# Altium PCB 控制板.PcbDoc (part 3 of 12) (continued)
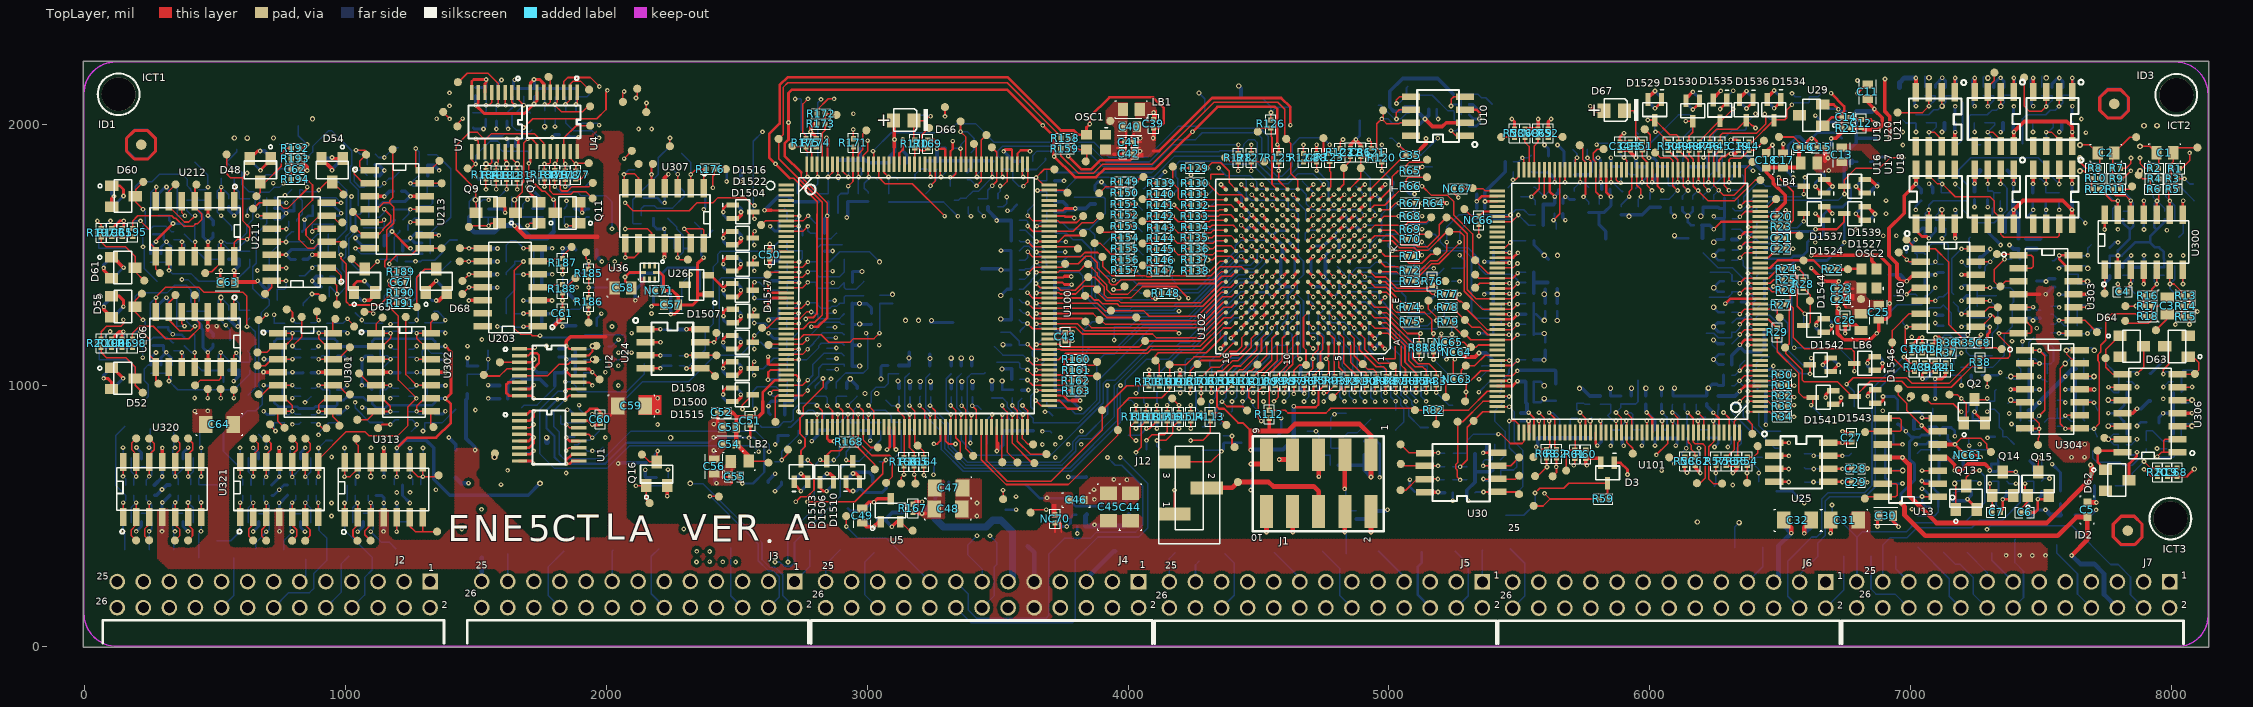
[diagram p0: TopLayer view]
## Nets (pads, with @x,y where several pads share a name; then routed paths per layer and width w, separated by ;. In a path a pad name is that pad's centre, name@x,y a point inside that pad or via, vN(x,y) a via of type N, cw(c..) or ccw(c..) an arc to the next point about the centre after c; other vN are vias at no path point) (continued)
  BottomLayer w12: Q34B.1@102.4,983 102.9,983 v1(147.4,1027.5) ; R776.2@103.2,1174.2 135.7,1206.7 v1(148.2,1206.7) 148.2,1179.1 C461.2@142.8,1173.7 ; R803.2@103.6,1599.6 103.6,1601.2 133.7,1631.3 v1(149.4,1631.3) 149.4,1606.2 C495.1@143.2,1600 ; Q37B.1@103.6,1685.5 107.4,1685.5 v1(148.6,1726.7) ; v1(197.4,440.9) 217.4,460.9 R709.1@217.4,478.4 ; v1(198.2,762.1) 216.9,743.4 R716.1@216.9,719.2 ; R773.1@262.4,1152.8 302.2,1152.8 302.2,1135.2 332.4,1105 C459.2@332.4,1079.2 ; C463.1@282.8,1264.2 282.8,1309.2 310.3,1336.7 310.3,1336.2 321.6,1324.9 C462.2@321.6,1264.6 ; C488.1@283.2,1690.5 283.2,1736.3 307.8,1760.9 311.1,1760.9 322.8,1749.2 C487.2@322.8,1690.5 ; R771.2@292.4,1078.7 292.4,1106.7 v1(312.8,1127.1) ; C440.2@296.9,509.6 v1@296.9,549.6 ; R706.1@376.5,478.4 376.5,460.1 v1(395.7,440.9) ; R713.1@376.5,718.8 376.5,741.7 v1(396.5,761.7) ; R767.2@472.4,1253.4 430.3,1253.4 430.3,1248.3 447.8,1230.8 447.8,1220 453.6,1214.2 453.6,1145.4 471.1,1127.9 492.4,1149.2 C456.1@492.4,1158.4 ; R792.2@472.4,1679.3 433.1,1679.3 C486.1@432.4,1680 432.4,1672.9 448.6,1656.7 448.6,1648 454.4,1642.2 454.4,1569.3 v1(472.8,1550.9) 492.4,1570.5 C484.2@492.4,1584.7 ; v1(645.7,440.5) 666.9,461.7 R690.2@666.9,478 ; v1(646.1,760.9) 666.5,740.5 R698.2@666.5,718.7 ; v1(686.1,901.3) 698.7,888.7 C450.2@726.9,888.7 ; v1(686.9,1101.7) 686.9,1101.3 689.4,1098.8 C454.2@727.4,1098.8 ; C431.1@716.9,618.8 747.4,649.3 C434.2@747.4,687.6 ; C429.1@717.4,578.4 723.6,578.4 764,618.8 C430.2@776.6,618.8 ; C483.1@728.6,1639.6 751.5,1639.6 781.9,1670 C481.2@802.4,1670 802.8,1670.4 R752.2@802.8,1710 ; R761.1@728.6,1679.6 753.3,1679.6 v1(772.4,1660.5) ; C433.1@747.4,508.8 747.4,549.2 C428.2@777.4,579.2 ; C453.1@757.4,1048.4 835.8,1048.4 C451.2@836.6,1049.2 ; C477.2@807.8,1483.8 789,1483.8 v1(771.9,1500.9) 791.9,1520.9 873.6,1520.9 892.3,1539.6 C476.2@902,1539.6 902.8,1538.8 R742.1@902.8,1499.6 ; R687.2@827.4,477.6 827.4,457 v1(844.4,440) ; R695.2@827.4,719.2 827.4,742.6 v1(845.7,760.9) ; v1(1046.5,439.6) 1067.8,460.9 R641.2@1067.8,478.4 ; v1(1072.8,1400.5) 1113.6,1359.7 Q31B.1@1113.6,1354.6 ; C421.2@1102,984.2 1085.3,1000.9 v1(1062.4,1000.9) 1062.4,1098.8 1077.4,1113.8 C422.2@1102.8,1113.8 ; C473.2@1107.8,1535.8 1063.6,1535.8 1037.4,1562 1037.4,1565.5 1046.5,1574.6 C474.1@1108.2,1574.6 ; C411.1@1117.8,578.8 1137.8,578.8 1147.8,568.8 C409.2@1147.8,509.6 ; R679.2@1119.8,1725.5 1119.8,1686.3 1127.8,1686.3 1142.4,1700.9 1173.3,1700.9 1178.3,1705.9 1229,1705.9 v1(1248.6,1725.5) 1229.1,1745 C470.2@1214,1745 ; v1(1146.5,650) 1147.8,651.3 C414.2@1147.8,687.6 ; v1(1196.5,549.6) 1197.4,548.7 R639.1@1197.4,509.6 ; R666.1@1197.8,1355 1167.4,1385.4 v1(1167.4,1400.9) 1192.3,1400.9 C466.2@1198.2,1395 ; C410.1@1218.2,618.8 1218.2,578.3 v1(1246.5,550) ; R669.2@1219,1515.5 1219,1554.2 1238.6,1554.2 1270.3,1585.9 C465.2@1293.2,1585.9 ; v1(1246.9,760) 1247.8,759.1 C413.1@1247.8,719.6 ; v1(1248.2,1565.5) 1267.8,1545.9 R664.1@1292.8,1545.9 ; C415.1@1343.2,890.5 1371.6,890.5 v1(1382.4,901.3) ; C417.1@1344,999.2 1381.9,999.2 v1(1383.2,1000.5) ; v1(1347.4,1401.7) 1389,1360.1 Q30B.1@1389,1355 ; v1(1467.4,1105.9) 1467.4,1075.7 1466.7,1075 R636.2@1506.9,1075 ; v1(1498.6,1802.5) 1508.9,1792.2 C393.2@1658.2,1792.2 ; C408.2@1498.6,2142.5 1538.6,2142.5 C407.2@1539,2142.9 v1(1539,2173.4) ; R625.2@1547.4,1676.7 1598.2,1676.7 v1(1611.9,1663) ; C406.2@1583.6,2140.4 1583.6,2156.7 v1(1598.2,2171.3) ; v1(1617.8,1945.9) 1622.4,1941.3 C398.1@1622.4,1917.1 ; v1(1648.2,2172.5) 1644.4,2168.7 1644.4,2138.8 1724.4,2138.8 1724.5,2138.7 C399.2@1884,2138.7 ; C378.2@1691.9,708.4 1712.4,708.4 v1(1720.3,700.5) ; v1(1697.8,1762.1) 1704.4,1762.1 1757.3,1709.2 1757.3,1678.4 C387.1@1717.8,1678.4 ; v1(1722.8,1802.1) 1733.6,1791.3 C389.2@1883.2,1791.3 ; v1(1722.8,2173.4) 1724,2172.2 C403.2@1724,2139.2 ; R619.2@1877.8,1677.5 1892.4,1677.5 v1(1906.9,1663) 1921.4,1677.5 C382.2@1933.6,1677.5 ; v1(2149,677.1) 2149,649.2 2150.7,647.5 C359.2@2192.8,647.5 ; 2180.7,1315.4 C363.1@2180.7,1379.6 ; v1(2447.8,965.3) 2447.8,952.7 2461.7,938.8 Q19B.1@2482.4,938.8 ; v1(2448.2,1065.9) 2448.2,1052.3 2462.1,1038.4 Q20B.1@2482.8,1038.4 ; v1(2448.2,1165.5) 2448.2,1152.5 2461.1,1139.6 Q21B.1@2482.4,1139.6 ; v1(2448.6,1465.5) 2448.6,1455.1 2464.1,1439.6 Q24B.1@2483.6,1439.6 ; v1(2448.6,1565.9) 2448.6,1553 2462,1539.6 Q25B.1@2483.6,1539.6 ; v1(2449,1265.9) 2449,1250.9 2460.3,1239.6 Q22B.1@2482.8,1239.6 ; v1(2449,1365.9) 2449,1352.2 2462,1339.2 Q23B.1@2483.2,1339.2 ; v1(2619.9,1022.1) 2659.8,1022.1 C352.1@2661.5,1023.8 C353.1@2661.5,1064.6 ; v1(2621.5,1251.3) 2626.5,1256.3 2661.5,1256.3 C356.1@2661.5,1294.2 ; v1(2621.9,1200.9) 2642.3,1180.5 C354.1@2660.3,1180.5 ; v1(2622.8,1391.3) 2633.2,1401.7 C357.1@2661.9,1401.7 ; v1(2627.8,1610.5) 2646.2,1592.1 R577.2@2661.6,1592.1 2661.2,1592.5 R578.2@2661.2,1630 ; C350.2@2629,888.4 2621.9,895.5 2621.9,928.8 2632.7,939.6 C351.1@2651.1,939.6 ; v1(2646.5,595) 2671.9,620.4 Q18B.1@2671.9,629.2 ; v1(2646.9,774.2) 2658.2,785.5 2658.2,808.4 C337.1@2697.4,808.4 ; v1(2745.7,595) 2771.9,621.2 Q17B.1@2771.9,629.2 ; v1(2787.4,786.7) 2811.9,811.2 2811.9,826.3 C336.1@2814,828.4 C335.1@2853.6,828.4 ; R565.2@2836.1,1583.4 2836.1,1639.7 2849.4,1653 R582.2@2849.4,1705.1 ; C340.2@2841.5,989.2 2841.5,1004.6 2860.9,1024 v1(2860.9,1025.5) ; v1(2844.4,595) 2871.5,622.1 Q16B.1@2871.5,629.2 ; C339.2@2921.5,989.6 2921.5,1012.3 v2(2934.9,1025.7) 2934.9,1024.6 2961.9,997.6 C338.2@2961.9,989.6 ; v1(2921.5,1644.6) 2925.3,1648.4 2925.3,1705.5 R579.2@3003.6,1705.5 ; C343.1@2942.8,1154.6 2970.3,1154.6 v1(2970.7,1155) ; C345.1@2942.8,1234.2 3015.8,1234.2 C329.2@3016.6,1235 ; C348.1@2943.2,1394.6 C349.1@2943.2,1435 2944.9,1436.7 v2(2979.9,1436.7) ; v1(2945.3,595.5) 2960.1,595.5 2971.9,607.3 Q15B.1@2971.9,629.2 2971.9,608.2 2990.7,589.4 3056.7,589.4 3072.8,605.5 Q14B.1@3072.8,629.6 ; v2(2971.1,1075.3) 2969.6,1073.8 C341.1@2942.8,1073.8 C347.1@2942.8,1315.5 2944.5,1313.8 2999,1313.8 3017,1295.8 C330.2@3017,1275.5 ; C334.1@2972.4,828 3011.5,828 3011.7,827.8 v1(3011.7,788.6) ; v2(3053,1024.6) 3053,1071.5 3058.6,1077.1 R540.2@3079.9,1077.1 ; v1(3075.7,754.2) 3091.5,770 C332.1@3091.5,826.7 ; v1(3136.5,1943.8) 3136.5,1899.7 3151.5,1884.7 C326.1@3151.5,1853.8 ; v2@3242.4,1242.1 TP191.1@3329.4,1242.1 ; TP1521.1@3439,1447.8 3508,1447.8 v2(3512.8,1443) R506.2@3552,1443 ; v2(3511.9,1345) 3536.2,1369.3 3551.9,1369.3 3551.9,1517 3552,1517.1 v1(3512.8,1517.1) ; v2(3520.7,1156.7) 3521.9,1155.5 R500.2@3551.6,1155.5 ; R477.1@3719,1178.4 3780,1178.4 v1(3787.1,1171.3) ; R471.1@3720.3,940.9 3785.9,940.9 v1(3816.1,910.7) ; Q13B.1@3873.2,1747.5 3873.2,1768.8 3885.7,1781.3 3897.4,1781.3 3919.9,1758.8 3960.3,1758.8 3972.8,1746.3 C314.1@3972.8,1441.3 ; v1(4030.7,835) 4059.3,863.6 4196.3,863.6 4195.1,862.4 v1(4195.1,834.6) ; C305.1@4111.1,1440 4111.1,1788.4 v1(4141.9,1819.2) ; C304.1@4242.4,1834.2 4242.4,1805.4 4243,1804.8 4243,1522.2 4244.1,1521.1 C286.2@4244.1,1439.6 ; NC56.1@4668.6,1075.5 4662.4,1069.3 4662.4,982.9 v1(4676.1,969.2) ; C246.1@5336.5,1734.8 5336.9,1734.4 C245.1@5336.9,1679.6 ; v1(5361.5,742.1) 5374.1,754.7 NC26.2@5374.1,774.6 ; v1(5366.1,1474.8) 5400.5,1474.8 5400.7,1475 R430.1@5400.7,1515 ; R407.2@5556.5,1555 5556.5,1539.6 5611.7,1484.4 ; v1(5596.9,1922.5) 5611.9,1907.5 C233.2@5611.9,1881.2 ; v1(5646.9,1922.3) 5671.5,1897.7 R404.1@5671.5,1839.2 ; R405.2@5666.9,1659.6 5666.9,1643.8 v1(5676.5,1634.2) ; C232.1@5667.4,1698.8 5667.4,1714.5 v1(5676.7,1723.8) 5682.1,1723.8 5692.5,1713.4 R401.2@5711.5,1713.4 ; R403.2@5711.9,1808.4 5765.7,1808.4 5776.9,1819.6 5776.9,1853.3 5796.8,1873.2 v1(5802.1,1873.2) 5811.1,1864.2 C230.2@5811.1,1839.6 ; R395.2@5766.1,1663.8 5825.9,1663.8 5851.9,1689.8 v1(5851.9,1723.8) 5847.4,1728.3 C231.1@5847.4,1752.5 ; v1(5799.6,769.4) 5814.9,784.7 C193.2@5814.9,799.7 ; R394.2@5806.1,1663.8 5806.1,1616.3 5831.5,1590.9 TP1106.1@5831.5,1562.1 ; v2(5849.9,989.6) 5849.9,961.2 5850.7,960.4 R381.2@5889.9,960.4 ; v1(5851.3,1873.2) 5851.3,1840.2 5852.1,1839.4 R399.1@5891.3,1839.4 ; v1(5900.3,769.2) 5894.8,774.7 5894.8,798.8 NC31.2@5934.4,798.8 ; C196.1@5984.9,960.5 5984.9,989.2 v2(5985.3,989.6) ; Q11B.1@5993.6,2098.4 5993.6,2089.7 v1(6020.1,2063.2) ; v1(5997.4,1873) 6014.4,1873 6026.1,1861.3 C229.2@6026.1,1839.6 C228.2@6070.7,1839.6 ; v1(6020.5,769.4) 6020.5,797.7 6102.9,797.7 6104.9,795.7 6104.9,774.4 v1(6099.9,769.4) ; C195.1@6044.9,960 6044.9,989.6 v2(6045.3,990) ; v2(6095.3,990) 6089,983.7 R380.2@6089,960 6217.7,960 6219,961.3 6219,984.1 6239.7,1004.8 6257.6,1004.8 6262.4,1000 R387.2@6283.2,1000 R388.2@6283.2,1040 ; Q10B.1@6139.4,2094.6 6139.4,2084.5 v1(6165.7,2058.2) ; C227.2@6150.3,1838.7 6220.6,1838.7 6224,1842.1 6224,1865.6 6215.8,1873.8 v1(6206.5,1873.8) ; v2(6195.7,1649.2) 6204.9,1658.4 C220.1@6204.9,1683.4 6262.5,1683.4 6266.7,1679.2 C215.1@6287.1,1679.2 ; v2(6245.7,1549.6) 6256.1,1560 C212.1@6284.4,1560 6284.4,1639.5 6287.1,1642.2 6287.1,1718.2 C216.1@6286.5,1718.8 ; v1(6245.7,1648.8) 6254.5,1640 C214.1@6284.9,1640 ; C204.1@6283.6,1204.6 6265.3,1204.6 v2(6244.9,1225) 6260.4,1240.5 C205.1@6284,1240.5 ; v1@6311.1,1942.8 6331.7,1942.8 C224.2@6340.3,1934.2 ; C223.2@6316.1,1839.2 6380.3,1839.2 v1(6396.1,1823.4) ; Q9B.1@6344.4,2097.5 6344.4,2089 v1(6371.3,2062.1) ; C207.2@6350.2,1319.6 6370.1,1319.6 v1(6376.9,1312.8) ; C190.2@6435.7,1886.2 6435.7,1887.5 v1(6470.7,1922.5) ; C198.2@6440.4,1330 6440.4,1409.6 C200.2@6440.6,1409.8 ; C199.2@6440.4,1369.6 6464.5,1369.6 v1(6474.9,1380) ; C201.2@6440.6,1524.6 v1(6549.9,1524.6) ; Q8B.1@6450.3,2100 6450.3,2089.8 v1(6477.1,2063) ; Q3B.1@6694.6,1104.8 6698.2,1104.8 v1(6723.8,1079.2) ; v1(6790.7,1658.6) 6817.1,1685 Q5B.1@6825.3,1685 ; v1(6791.1,1763.4) 6817.7,1790 Q6B.1@6824.9,1790 ; Q2B.1@6864.4,1110 6881.6,1110 6892.6,1099 v1(6892.6,1085) ; v1(6873.6,459.2) 6873.6,502.9 C497.1@6874.9,504.2 ; C185.2@7015.3,2111.8 7015.3,2077.1 v1(7021.1,2071.3) ; R330.1@7016.1,1588.4 7030.3,1588.4 7044.9,1603 C156.1@7056.1,1603 7056.1,1578.8 v1(7070.3,1564.6) 7096.1,1590.4 C155.1@7096.1,1603.4 ; v1(7045.7,1025.5) 7061.1,1025.5 7134,1098.4 C146.1@7134,1115 ; C151.1@7056.1,1384.6 7056.1,1422.1 7058.6,1424.6 v1(7095.3,1424.6) 7104.1,1433.4 C150.1@7126.1,1433.4 ; v1(7094.9,1275) 7100.3,1269.6 C148.1@7124.4,1269.6 ; C184.1@7095.7,2142.5 7095.7,2153.8 v1(7121.9,2180) 7134.9,2167 C183.1@7134.9,2143 ; NC47.1@7107.4,632.5 7109,634.1 NC45.1@7109,714.2 7159.5,714.2 v1(7169.9,724.6) ; C140.2@7163.6,558.4 7212.8,558.4 v1(7218.6,564.2) 7233.6,579.2 R298.1@7233.6,594.2 ; C181.1@7170.3,2038.4 7170.3,2069.3 v1(7171.5,2070.5) ; v1(7171.1,2178.8) 7174.9,2175 C182.1@7174.9,2142.5 ; v1(7171.5,1673.8) 7174.9,1670.4 C154.2@7174.9,1634.6 ; v1(7195.3,1325) 7214.9,1344.6 C147.1@7223.6,1344.6 ; v1(7195.3,1425) 7196.5,1423.8 C149.1@7225.3,1423.8 ; NC53.1@7233.6,714.6 7258.6,714.6 v1(7269,725) ; C180.2@7239.9,2111.3 7239.9,2077.1 v1(7246.1,2070.9) ; C165.2@7245.3,1713 7245.3,1684.6 v1(7245.7,1684.2) ; C164.2@7294.9,1713.8 7294.9,1685 v1(7296.1,1683.8) ; C162.1@7297.4,1589.2 7297.4,1587.5 v1(7345.7,1539.2) ; C179.1@7319.4,2143 7319.4,2158 7341,2179.6 7345.3,2179.6 7359,2165.9 C178.1@7359,2142.5 ; v1(7353.6,563.8) 7368.6,578.8 R294.1@7368.6,594.2 ; C176.1@7394.4,2038.4 7394.4,2068.8 v1(7396.1,2070.5) ; v1(7396.1,2178.8) 7399.4,2175.5 C177.1@7399.4,2143.4 ; C161.2@7414.1,1523.8 7414.1,1508.7 7419.4,1503.4 R321.2@7419.4,1484.6 ; R288.2@7440.7,1258.4 7459.4,1258.4 7468.6,1249.2 7477.4,1258 C134.1@7498.6,1258 ; C175.2@7463.6,2112.2 7463.6,2078 v1(7470.7,2070.9) ; C135.2@7484,1401.3 7517.8,1401.3 v1(7519.9,1399.2) 7530.3,1409.6 C133.2@7553.6,1409.6 ; v1(7488.2,564.2) 7503.1,579.1 R266.2@7503.1,593.4 ; v1(7543.2,698.8) 7575.4,666.6 U12.8@7575.4,596.5 ; C174.1@7543.2,2143.4 7543.2,2157.6 7564.8,2179.2 v1(7570.7,2179.2) 7583.6,2166.3 C173.1@7583.6,2143.4 ; v1(7593.6,984.6) 7631.6,984.6 C127.2@7632.4,983.8 ; C171.1@7619,2038.4 7619,2069.2 v1(7620.7,2070.9) ; v1(7620.3,2178.8) 7622.8,2176.3 C172.1@7622.8,2143.4 ; C123.2@7630.3,503.4 7691.9,503.4 v1(7711.9,523.4) ; R270.2@7632,903.4 7632,1023.4 C128.2@7632.4,1023.8 ; Q1B.2@7705.3,616.3 7705.3,558.4 v1(7712.4,551.3) ; R280.2@7854,1453.7 7894,1453.7 7895.3,1455 v1(7895.3,1499.2) ; C103.2@7918.2,1046.1 7921,1046.1 v1(7969.9,1095) ; C102.2@7953.2,855.9 7953.2,878.8 7968.2,893.8 C101.1@8007.4,893.8 ; R250.1@8006.9,813.8 8007.8,814.7 R252.1@8007.8,973.8
  BottomLayer w14: Q35B.1@102.8,1258.4 104.1,1258.4 v1(148.2,1302.5) ; C443.1@267.4,618.4 296.9,647.9 C444.2@296.9,686.8 ; C442.1@267.8,578.8 274,578.8 314,618.8 C439.1@326.5,618.8 ; v1@296.9,549.6 C438.1@326.5,579.2 ; Q32B.1@908.6,1870.5 944.5,1870.5 v1(948.2,1874.2) ; R616.2@1543.1,1425.9 1581.5,1425.9 v1(1581.9,1426.3) ; R618.2@1543.1,1525.5 v1(1582.4,1525.5) ; v1(1719.9,1064.2) 1734.5,1049.6 C376.2@1772,1049.6 ; R610.2@1752.7,1375 1752.7,1425.5 1753.5,1426.3 v1(1792.4,1426.3) ; R611.2@1753.1,1475.9 1753.1,1525 C385.2@1754,1525.9 v1(1791.9,1525.9) ; v1(1791.1,1226.3) 1824.9,1260.1 R606.2@1831.9,1260.1 ; v1(1792.4,1950.9) 1803.2,1961.7 C397.1@1819.4,1961.7 ; R607.2@1832.4,1355.1 1852.7,1355.1 v1(1881.5,1326.3) ; C381.2@1832.4,1486.2 1832.4,1525.4 1877.9,1525.4 Q29B.1@1882.8,1520.5 ; v1@1847.4,1099.6 C374.2@1881.6,1099.6 ; C373.2@1881.2,1049.2 C375.2@1881.2,1139.6 ; v1(2411.9,751.3) 2411.9,720.5 C358.2@2416.5,715.9 ; C331.2@2995.7,487.6 2995.7,474 3011.3,458.4 3027.2,458.4 3040.7,471.9 R543.2@3040.7,488.8 ; R481.1@3718.2,1332.1 3719,1332.9 R483.1@3719,1410.5 ; R482.1@3719,1371.3 3768.6,1371.3 v1(3784,1386.7) ; C496.1@4930.7,518.8 4990.3,518.8 v1(4995.1,523.6)
  BottomLayer w16: C163.1@7372.4,1824.2 7395.7,1800.9 v1(7395.7,1773.8) ; v1(7379.9,1539.2) 7395.3,1523.8 C161.2@7414.1,1523.8
  BottomLayer w18: C380.1@1421.9,646.7 1442.7,625.9 v1(1471.5,625.9) ; J3.25@1521.9,248.8 TP204.1@1521.9,340 ; v1(6592.8,433.2) 6620.9,461.3 C498.2@6620.9,485
  other v1: 3025.5,458.8 3765.1,459.6 3420.3,500 7005.9,526.1 745.3,550.5 1146.5,549.6 3420.7,549.6 297.4,551.3 3870.7,563.8 3570.7,574 745.7,600.5 296.5,601.3 3869.4,600.9 6318.4,618.8 3995.3,638.8 3945.7,640 745.3,650.5 296.9,651.3 1945.7,850.5 2411.5,852.1 7968.6,893.8 421.9,901.7 2196.1,901.7 471.5,903 2621.9,921.1 4519.4,938.8 2196.5,951.3 4399,972.3 4518.8,972.1 796.5,1051.3 1272.8,1050.9 1846.5,1100.5 1062.4,1101.3 6870.5,1200.3 7469.4,1249.2 2172.6,1276.3 6920.1,1314.8 313.2,1336.7 7945.3,1498.4 8045.3,1498.4 7995.7,1498.8 1831.9,1525.9 1037.8,1565.9 6895.7,1574.2 6945.7,1574.2 2222.4,1600.9 6905.9,1658.8 983.2,1660.5 7470.7,1673.4 7520.3,1673.8 2223.2,1700.5 6906.1,1708.8 6048.6,1747.5 313.6,1760.9 3898,1780.7 4241.1,1806.7 2648.2,1850 6871.1,1874.4 3716.9,1878.4 4046.1,1898.4 6970.9,1922.3 4046.9,1948 4096.5,1948.8 6970.7,1971.9 4246.9,1973 2173.6,1983.4 2123.6,1983.8 3673.2,1997.5 2698.6,2008.4 6796.5,2169.8 7345.7,2179.6
  other v2: 6224.9,990 5595.9,1199.6 2971.1,1235.5 3146.5,1250 3196.5,1250 3246.9,1249.6 2970.7,1315 6245.7,1375 5595.7,1499.2 5646.3,1499.2 6245.3,1498.8
J1-3_0: J1.3 NC16.2 NC17.2 pad.387 U100.162 U101.162 | length 4375.2
  TopLayer w6: U100.162@3043.99,1848.5 3043.99,1798.61 3068.6,1774 3173,1774 3296.9,1650.1 v1(3296.9,1649.6) ; v1(6025.7,734.4) 6069.01,777.71 U101.162@6069.01,819.9
  TopLayer w18: v1(4830.7,603.8) J1.3@4830.7,734.2
  MidLayer2 w6: v1(3671.3,774.2) 3671.3,718.2 3805.3,584.2 3897.3,584.2 3925.6,555.9 4737.8,555.9 4785.7,603.8 4865.7,603.8 4892.4,577.1 5053.2,577.1 5087.3,543 5679.5,543 5874.9,738.4 6021.7,738.4 v1(6025.7,734.4)
  MidLayer3 w6: v1(3296.9,1649.6) 3296.9,1313.8 3539,1071.7 3539,882.1 3646.9,774.2 v1(3671.3,774.2)
  BottomLayer w6: v1(4830.7,603.8) 4835.3,599.2 NC16.2@4835.3,519.6 NC17.2@4875.7,519.6
J1-4_0: J1.4 NC16.1 pad.386 | length 214.8
  TopLayer w18: v1(4831.5,438.4) J1.4@4831.48,517.2
  BottomLayer w6: NC16.1@4835.3,488.4 4835.3,442.2 4831.9,438.8 4836.9,433.8 pad.386@4836.9,355.9
J1-5_0: J1.5 NC14.2 NC15.1 NC51.1 pad.266@4730.5,684.4 | length 248.8
  TopLayer w18: J1.5@4731.05,734.2 4731.5,734.2 v1(4731.5,650.7)
  BottomLayer w6: v1(4731.5,650.7) NC14.2@4731.5,733.4 4774.5,733.4 4775.3,732.6 NC15.1@4775.3,694.6
J1-7_0: J1.7 NC9.2 NC10.2 pad.243@5292.4,939.6 U100.124 U101.124 | length 2940.4
  TopLayer w6: v1(3650.3,1610.9) 3650.72,1611.32 U100.124@3697.8,1611.32 ; pad.243@5292.4,939.6 5296.1,943.3 5296.1,1000.9 5352.28,1057.08 U101.124@5415.2,1057.08
  TopLayer w18: v1(4579.9,716.7) 4630.62,716.7 J1.7@4630.62,734.2
  MidLayer2 w6: v1(3820.7,774.6) 3846.2,774.6 3913.3,707.5 4354.4,707.5 4380.1,733.2 4563.4,733.2 v1(4579.9,716.7) 4617.4,754.2 4898.6,754.2 4996.9,852.5 5173,852.5 v1(5295.5,975)
  MidLayer3 w6: v1(3650.3,1610.9) 3669.6,1591.6 3669.6,1323.2 3747.4,1245.4 3747.4,1159.2 3781.9,1124.7 3781.9,813.4 v1(3820.7,774.6)
  BottomLayer w6: v1(3650.3,1610.9) 3666.1,1626.7 3688.4,1626.7 3688.7,1626.4 NC9.2@3688.7,1666.7
J1-9_0: J1.9 NC11.1 NC13.1 pad.268@4526.9,699.6 U100.137 U101.137 | length 3472.3
  TopLayer w6: v1(3509.6,1765.3) 3519.1,1765.3 3536.11,1782.32 U100.137@3536.11,1848.5 ; v1(5575.1,864.8) 5576.88,863.01 U101.137@5576.88,819.9
  TopLayer w18: v1(4471.7,699) 4530.2,699 J1.9@4530.2,734.2
  MidLayer2 w6: v1(3771.3,774.6) 3805,740.9 3835.3,740.9 3896.2,680 4372.3,680 4391.3,699 v1(4471.7,699) 4487.7,683 4626.3,683 4666.9,723.6 4940.7,723.6 4982.1,765 5475.3,765 v1(5575.1,864.8)
  MidLayer3 w6: v1(3509.6,1765.3) 3523.7,1765.3 3585.3,1703.7 3585.3,1241.2 3609.4,1217.1 3704.9,1217.1 3729.4,1192.6 3729.4,1148.8 3763.2,1115 3763.2,782.7 v1(3771.3,774.6)
  BottomLayer w6: NC11.1@3501.5,1716.3 3501.5,1736.3 3509.6,1744.4 v1(3509.6,1765.3) ; NC13.1@4471.9,669.4 4471.9,698.8 4472.7,699.6 pad.268@4526.9,699.6
J2-1_0: D1507.3 J2.1 R556.2 | length 2857.2
  TopLayer w6: D1507.3@2562.6,1266.25 2562.6,1287.4 v1(2566.5,1291.3)
  MidLayer2 w6: J2.1@1324.4,248.4 1362.8,210 2265.6,210 2280.7,225.1 2280.7,276.3 2328.2,323.8 v1(2345.7,323.8)
  MidLayer3 w6: v1(2345.7,323.8) 2364.5,305 2451.5,305 2465.3,318.8 2465.3,1253.8 2518,1306.5 2551.3,1306.5 v1(2566.5,1291.3) 2547.4,1272.2 2547.4,1189.2 2606.6,1130 2634.9,1130 2643.6,1121.3 2847,1121.3 2869.5,1143.8 v1(2881.5,1143.8)
  BottomLayer w6: R556.2@2844.8,1142.5 2880.2,1142.5 v1(2881.5,1143.8)
J2-2_0: J2.2 Q23B.3 R571.2 | length 2477.7
  MidLayer2 w6: J2.2@1324.4,148.4 1362.7,186.7 2350.7,186.7 2379.4,215.4 2379.4,277.1 2426.5,324.2 v1(2446.1,324.2)
  MidLayer3 w6: v1(2446.1,324.2) 2439.4,330.9 2439.4,928.4 2430.3,937.5 2430.3,1273.4 2478.6,1321.7 2553.2,1321.7 v1(2567.4,1335.9)
  BottomLayer w6: Q23B.3@2562.2,1365.05 2562.2,1341.1 2573.3,1330 R571.2@2662,1330